# Altium PCB druino_uno_pcb.PcbDoc (part 3 of 3)
Units mm, origin at the board's own origin, x right, y up, seen from the top; angles counter-clockwise.
Board outline 68.58 x 53.34 mm, 4 copper layers (TOP, PWR, GND, BOT), stack 1.466 mm thick; 226 components, 133 nets, 716 pads, 313 vias.
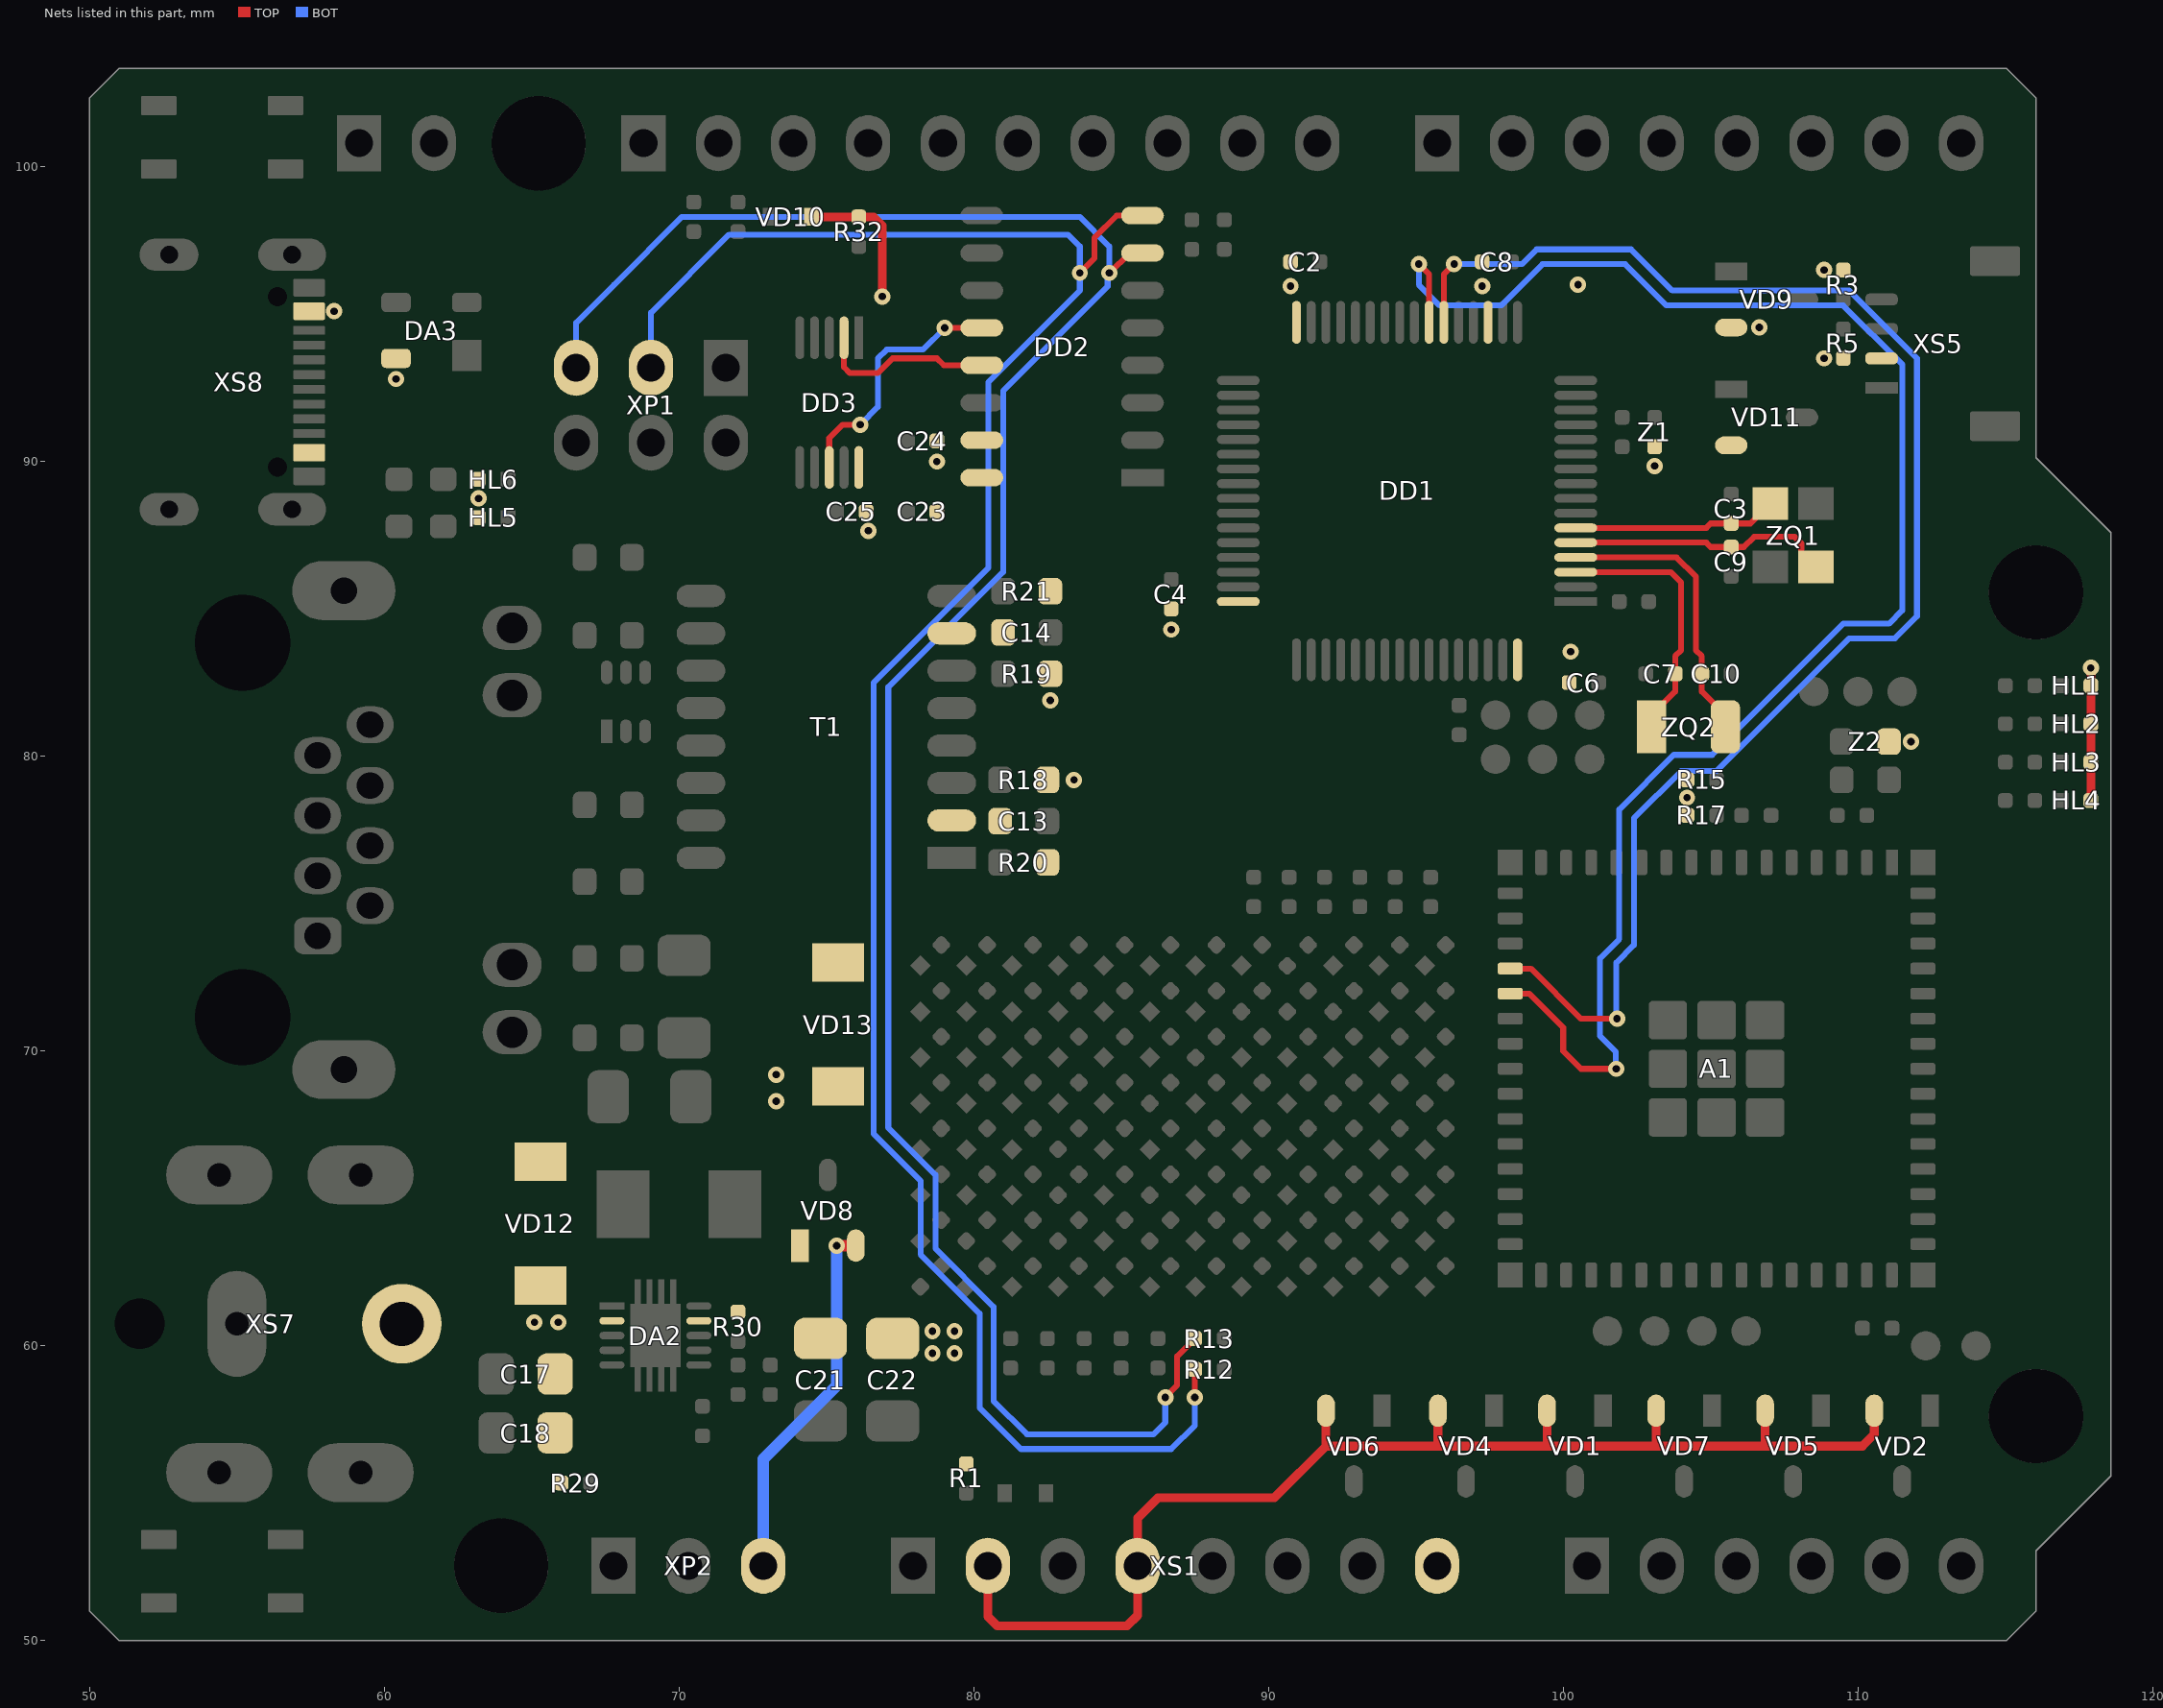
[diagram p5: the nets of this part, all layers, seen from the top]

## Via types
v1: diameter 0.55, hole 0.25, TOP to BOT, tented both sides, 313 vias

## Nets (pads, with @x,y where several pads share a name; then routed paths per layer and width w, separated by ;. In a path a pad name is that pad's centre, name@x,y a point inside that pad or via, vN(x,y) a via of type N, cw(c..) or ccw(c..) an arc to the next point about the centre after c; other vN are vias at no path point) (continued)
USER_IO_15: A1.19 DD1.22 | length 52.1
  TOP w0.2: DD1.22@95.95,94.725 95.95,96.35 v1(96.3,96.7) ; A1.19@98.2,72.8 98.9,72.8 100.6,71.1 v1(101.825,71.1)
  BOT w0.2: v1(96.3,96.7) 98.6,96.7 99.1,97.2 102.3,97.2 103.7,95.8 109.7,95.8 112,93.5 112,84.75 111.25,84 109.7,84 105.2,79.5 104,79.5 102.4,77.9 102.4,73.6 101.8,73 101.8,71.125 v1(101.825,71.1)
USER_IO_16: A1.20 DD1.23 | length 56.6
  TOP w0.2: v1(95.1,96.7) 95.45,96.35 DD1.23@95.45,94.725 ; A1.20@98.2,71.95 98.85,71.95 100,70.8 100,70 100.6,69.4 v1@101.7,69.4
  BOT w0.2: v1(95.1,96.7) 95.1,96 95.8,95.3 97.9,95.3 99.3,96.7 102.1,96.7 103.5,95.3 109.5,95.3 111.5,93.3 111.5,84.95 111.05,84.5 109.5,84.5 105.05,80.05 103.75,80.05 101.9,78.2 101.9,73.8 101.25,73.15 101.25,70.51 101.785,69.975 101.785,69.415 v1(101.8,69.4)
VBUS: DA3.4 VD13.2 XS8.A4 XS8.B4
  other v1: 60.4,92.8 58.3,95.1
VCC_3V3: C2.1 C4.1 C6.1 C8.1 C13.2 C14.2 C21.2 C22.2 C23.1 C24.1 C25.1 DA2.9 DD1.19 DD1.32 DD1.48 DD1.64 DD2.15 DD2.16 DD3.10 HL1.2 HL2.2 HL3.2 HL4.2 HL5.2 HL6.2 R1.1 R3.1 R5.1 R15.1 R17.1 R18.2 R19.1 R20.2 R21.1 R30.1 R32.1 T1.2 T1.7 VD1.2 VD2.2 VD4.2 VD5.2 VD6.2 VD7.2 VD8.1 VD9.2 VD10.2 VD11.2 XS1.2 XS1.4 XS5.2 Z1.2 Z2.2 | length 52.5
  TOP w0.3: VD10.2@74.5,98.3 R32.1@76.1,98.3 76.6,98.3 76.9,98 v1(76.9,95.6) ; XS1.2@80.48,52.54 80.48,50.82 80.8,50.5 85.2,50.5 85.56,50.86 XS1.4@85.56,52.54 85.56,54.16 86.25,54.85 90.2,54.85 91.95,56.6 95.75,56.6 99.45,56.6 103.15,56.6 106.85,56.6 110.149,56.6 110.55,57.001 VD2.2@110.55,57.8 ; 91.95,56.65 VD6.2@91.95,57.8 ; 95.75,56.65 VD4.2@95.75,57.8 ; 99.45,56.65 VD1.2@99.45,57.8 ; 103.15,56.65 VD7.2@103.15,57.8 ; 106.85,56.65 VD5.2@106.85,57.8 ; HL4.2@117.9,78.5 HL3.2@117.9,79.8 HL2.2@117.9,81.1 HL1.2@117.9,82.4 v1(117.9,83)
  other v1: 78.6,59.75 79.35,59.75 78.6,60.5 79.35,60.5 104.2,78.6 83.4,79.2 111.8,80.5 82.6,81.9 100.25,83.55 86.7,84.3 76.425,87.65 63.2,88.75 103.1,89.85 78.75,90 108.85,93.5 106.65,94.55 90.75,95.95 97.25,95.95 100.5,96 108.85,96.5
VCC_BAT: VD8.2 XP2.3 | length 12.5
  TOP w0.4: v1(75.35,63.4) VD8.2@76,63.4
  BOT w0.4: XP2.3@72.86,52.54 72.86,56.16 75.35,58.65 v1(75.35,63.4)
VCC_IN: VD12.2 XS1.8 XS7.4
VCC_SYS: C17.2 C18.2 DA2.2 R29.1 VD12.1 VD13.1
  other v1: 65.095,60.8 65.905,60.8 73.3,68.3 73.3,69.2
WCH_LINK_RX: DD2.7 R13.1 XP1.5 | length 76.4
  TOP w0.2: v1(84.6,96.4) 84.613,96.4 85.287,97.075 DD2.7@85.725,97.075 ; v1(86.5,58.25) 86.5,58.263 86.9,58.663 86.9,59.65 R13.1@87.5,60.25
  BOT w0.2: XP1.5@66.51,93.18 66.51,94.71 67.8,96 70.1,98.3 83.6,98.3 84.6,97.3 v1(84.6,96.4) 84.543,96.343 84.543,95.943 81,92.4 81,86.25 77.1,82.35 77.1,67.4 78.7,65.8 78.7,63.3 80.675,61.325 80.675,58.125 81.8,57 86.1,57 86.5,57.4 v1(86.5,58.25)
WCH_LINK_TX: DD2.8 R12.1 XP1.3 | length 74.9
  TOP w0.2: v1(83.6,96.4) 84.1,96.9 84.1,97.6 84.845,98.345 DD2.8@85.725,98.345 ; v1(87.5,58.25) R12.1@87.5,59.2
  BOT w0.2: XP1.3@69.05,93.18 69.05,95.05 71.7,97.7 83.2,97.7 83.6,97.3 v1(83.6,96.4) 83.6,95.8 80.5,92.7 80.5,86.4 76.6,82.5 76.6,67.2 78.2,65.6 78.2,63.1 80.2,61.1 80.2,57.9 81.6,56.5 86.7,56.5 87.5,57.3 v1(87.5,58.25)
WCH_LINK_USB_N: DD2.13 DD3.2 | length 6.1
  TOP w0.2: DD3.2@75.6,94.2 75.6,93.2 75.8,93 76.75,93 77.25,93.5 78.75,93.5 78.985,93.265 DD2.13@80.275,93.265
WCH_LINK_USB_P: DD2.12 DD3.8 | length 8.7
  TOP w0.2: DD3.8@75.1,89.8 75.1,90.8 75.55,91.25 v1(76.15,91.25) ; v1(79.015,94.535) DD2.12@80.275,94.535
  BOT w0.2: v1(76.15,91.25) 76.75,91.85 76.75,93.5 77.05,93.8 78.28,93.8 v1(79.015,94.535)
XTAL_8M_IN: C9.1 DD1.5 ZQ1.1 | length 9
  TOP w0.2: DD1.5@100.425,87.25 104.85,87.25 105,87.1 C9.1@105.7,87.1 106.126,87.1 106.476,87.45 107.85,87.45 108.075,87.225 108.075,86.875 108.525,86.425 ZQ1.1@108.575,86.425
XTAL_8M_OUT: C3.1 DD1.6 ZQ1.3 | length 7
  TOP w0.2: DD1.6@100.425,87.75 104.85,87.75 105,87.9 C3.1@105.7,87.9 106.35,87.9 106.525,88.075 106.525,88.125 106.975,88.575 ZQ1.3@107.025,88.575
XTAL_32K_IN: C7.2 DD1.3 ZQ2.1 | length 9
  TOP w0.2: DD1.3@100.425,86.25 103.65,86.25 104,85.9 104,83.6 103.8,83.4 103.8,82.2 103,81.4 ZQ2.1@103,81
XTAL_32K_OUT: C10.2 DD1.4 ZQ2.2 | length 9.9
  TOP w0.2: DD1.4@100.425,86.75 103.85,86.75 104.5,86.1 104.5,83.6 104.7,83.4 C10.2@104.7,82.8 104.7,82.2 105.5,81.4 ZQ2.2@105.5,81
pads on no net: A1.25 A1.26 A1.27 A1.28 A1.29 A1.30 A1.31 A1.32 A1.33 A1.34 DA1.5 DD2.3 DD2.6 DD2.9 DD2.10 DD2.11 T1.4 T1.5 T1.12 T1.13 XS1.5 XS3.3 XS5.M1 XS5.M2 XS6.M3 XS6.M4 XS7.A.M2 XS8.0 XS8.A5 XS8.A8 XS8.B5 XS8.B8

## Polygon pours and split planes (outlines as drawn)
no net on Top Overlay "NONET_L-01_P-001" (solid): 92.269,91.501 92.268,91.5 92.268,87.493 94.242,87.493 94.243,87.492 92.541,89.553 92.543,89.851 93.398,89.859 93.41,89.859 ccw(c93.41,90.666) 94.217,90.666 ccw(c93.379,90.666) 93.379,91.503 93.361,91.503
no net on Top Overlay "NONET_L-01_P-001" (solid): 97.041,87.004 97.741,85.804 98.091,85.804 98.791,87.004 98.459,87.004 97.925,86.082 97.391,87.004
no net on Top Overlay "NONET_L-01_P-001" (solid): 96.634,86.506 97.134,86.506 97.134,86.266 96.634,86.266
no net on Top Overlay "NONET_L-01_P-001" (solid): 96.464,87.006 95.384,87.006 ccw(c95.384,86.386) 94.765,86.416 ccw(c95.384,86.425) 95.384,85.806 96.464,85.806 96.464,86.056 95.384,86.056 cw(c95.384,86.395) 95.045,86.395 cw(c95.384,86.376) 95.384,86.716 96.464,86.716
no net on Top Overlay "NONET_L-01_P-001" (solid): 20 vertices, not listed, extent 92.934,85.806 94.654,87.006
no net on Top Overlay "NONET_L-01_P-001" (solid): 92.504,87.006 92.764,87.006 92.764,85.816 92.504,85.816
no net on Top Overlay "NONET_L-01_P-001" (solid): 90.609,87.004 91.955,87.004 cw(c91.949,86.633) 92.32,86.627 cw(c91.985,86.627) 91.984,86.292 92.304,85.815 91.955,85.815 91.654,86.283 90.871,86.283 90.871,85.826 90.609,85.826
no net on Top Overlay "NONET_L-01_P-001" (solid): 96.981,89.723 96.981,87.473 95.387,87.473 95.387,87.482
no net on Top Overlay "NONET_L-01_P-001" (solid): 96.991,90.941 94.813,87.905 93.677,89.236 ccw(c93.509,90.624) 94.906,90.616 ccw(c93.482,90.756) 93.672,92.174 96.991,92.174
no net on Top Overlay "NONET_L-01_P-001" (solid): 98.75,75.35 98.75,63.45 ccw(c99.25,63.45) 99.25,62.95 111.15,62.95 ccw(c111.15,63.45) 111.65,63.45 111.65,75.35 ccw(c111.15,75.35) 111.15,75.85 99.25,75.85 ccw(c99.25,75.35)
no net on Top Overlay "NONET_L-01_P-001" (solid): 111.333,89.552 ccw(c111.333,89.328) 111.109,89.328 111.109,89.255 ccw(c111.333,89.255) 111.333,89.031 ccw(c111.333,89.253) 111.554,89.253 111.554,89.348 ccw(c111.35,89.348) 111.35,89.55 111.308,89.55
no net on Top Overlay "NONET_L-01_P-001" (solid): 23 vertices, not listed, extent 110.371,88.4 115.955,90.211
GND on TOP "NONET_L-01_P-001" (solid, pour order 80): 19 vertices, not listed, extent 68.35,55.65 78.5,63
GND on TOP "TOP-GND" (solid, pour order 65): 34 vertices, not listed, extent 105.35,82.45 111,89.9
GND on TOP "TOP-GND 2" (solid, pour order 99): 39 vertices, not listed, extent 102.35,60.9 118.4,79.75
VCC_3V3 on TOP "NONET_L-01_P-001" (solid, pour order 125): 20 vertices, not listed, extent 100.1,95.6 109.9,99
NetC16_2 on TOP "TOP-NetC16_2" (solid, pour order 111): 31 vertices, not listed, extent 50.5,67.3 68.55,87.5
GND on TOP "NONET_L-01_P-001" (solid, pour order 122): 62.6,89.1 62.6,90.35 ccw(c62.25,90.35) 62.25,90.7 61.75,90.7 ccw(c61.75,90.35) 61.4,90.35 61.4,89.1 ccw(c61.75,89.1) 61.75,88.75 62.25,88.75 ccw(c62.25,89.1)
VCC_3V3 on TOP "NONET_L-01_P-001" (solid, pour order 6): 62.8,89.65 62.8,88.8 62.8,88 ccw(c63.1,88) 63.1,87.7 63.3,87.7 ccw(c63.3,88) 63.6,88 63.6,89.65 ccw(c63.25,89.65) 63.25,90 63.15,90 ccw(c63.15,89.65)
EGND on TOP "NONET_L-01_P-001" (solid, pour order 12): 67.4,86.45 67.4,87.65 ccw(c67.05,87.65) 67.05,88 66.55,88 ccw(c66.55,87.65) 66.2,87.65 66.2,86.45 ccw(c66.55,86.45) 66.55,86.1 67.05,86.1 ccw(c67.05,86.45)
VBUS on TOP "NONET_L-01_P-001" (solid, pour order 3): 35 vertices, not listed, extent 56.91,72.1 76.5,94
GND on TOP "TOP-GND 1" (solid, pour order 115): 28 vertices, not listed, extent 50.5,87.75 60,101.85
GND on TOP "NONET_L-01_P-001" (solid, pour order 109): 82.1,78.05 82.1,77.55 ccw(c82.3,77.55) 82.3,77.35 83.4,77.35 ccw(c83.4,77.8) 83.85,77.8 ccw(c83.4,77.8) 83.4,78.25 82.925,78.25 82.3,78.25 ccw(c82.3,78.05)
GND on TOP "NONET_L-01_P-001" (solid, pour order 108): 82.2,84.45 82.2,83.95 ccw(c82.4,83.95) 82.4,83.75 83.5,83.75 ccw(c83.5,84.2) 83.95,84.2 ccw(c83.5,84.2) 83.5,84.65 83.025,84.65 82.4,84.65 ccw(c82.4,84.45)
GND on TOP "NONET_L-01_P-001" (solid, pour order 107): 81.925,92 cw(c81.55,92) 81.55,91.625 79.85,91.625 cw(c79.85,92) 79.475,92 cw(c79.85,92) 79.85,92.375 81.55,92.375 cw(c81.55,92)
GND on TOP "NONET_L-01_P-001" (solid, pour order 106): 74.1,94.925 cw(c74.1,94.775) 74.25,94.775 74.25,93.425 ccw(c74.371,93.425) 74.285,93.34 74.337,93.288 cw(c74.123,93.075) 74.425,93.075 74.425,93 cw(c74.1,93) 74.1,92.675 cw(c74.1,93) 73.775,93 73.775,93.075 cw(c74.077,93.075) 73.863,93.288 73.915,93.34 ccw(c73.829,93.425) 73.95,93.425 73.95,94.775 cw(c74.1,94.775)
GND on TOP "NONET_L-01_P-001" (solid, pour order 101): 62.1,94.3 63.5,94.3 63.5,92.5 cw(c63.05,92.5) 63.05,92.05 62.55,92.05 cw(c62.55,92.5) 62.1,92.5
GND on TOP "NONET_L-01_P-001" (solid, pour order 100): 112.2,58.5 113.4,58.5 cw(c113.4,58.3) 113.6,58.3 113.6,57.3 cw(c113.4,57.3) 113.4,57.1 112.2,57.1 cw(c112.2,57.3) 112,57.3 112,58.3 cw(c112.2,58.3)
GND on TOP "NONET_L-01_P-001" (solid, pour order 92): 32 vertices, not listed, extent 51.5,52.8 64.6,67
EGND on TOP "NONET_L-01_P-001" (solid, pour order 90): 25 vertices, not listed, extent 66.25,71.9 72.1,78.95
EGND on TOP "NONET_L-01_P-001" (solid, pour order 8): 60.8,90 59.55,90 ccw(c59.55,89.65) 59.2,89.65 59.2,89.15 ccw(c59.55,89.15) 59.55,88.8 60.8,88.8 ccw(c60.8,89.15) 61.15,89.15 61.15,89.65 ccw(c60.8,89.65)
GND on TOP "NONET_L-01_P-001" (solid, pour order 84): 68.2,69.8 68.45,69.8 cw(c68.45,69.25) 69,69.25 69,67.7 ccw(c69.4,67.7) 69.4,67.3 71.6,67.3 ccw(c71.6,67.7) 72,67.7 72,70.9 ccw(c71.6,70.9) 71.6,71.3 68.2,71.3 ccw(c68.2,70.9) 67.8,70.9 67.8,70.2 ccw(c68.2,70.2)
GND on TOP "NONET_L-01_P-001" (solid, pour order 83): 78.1,90.85 78.1,88.15 cw(c77.85,88.15) 77.85,87.9 77.55,87.9 cw(c77.55,88.15) 77.3,88.15 77.3,88.5 77.3,90.85 cw(c77.55,90.85) 77.55,91.1 77.85,91.1 cw(c77.85,90.85)
GND on TOP "NONET_L-01_P-001" (solid, pour order 79): 97.8,63 98.8,63 98.8,61.4 cw(c98.5,61.4) 98.5,61.1 97.8,61.1 cw(c97.8,61.4) 97.5,61.4 97.5,62.7 cw(c97.8,62.7)
GND on TOP "NONET_L-01_P-001" (solid, pour order 78): 108.5,58.5 109.7,58.5 cw(c109.7,58.3) 109.9,58.3 109.9,57.3 cw(c109.7,57.3) 109.7,57.1 108.5,57.1 cw(c108.5,57.3) 108.3,57.3 108.3,58.3 cw(c108.5,58.3)
GND on TOP "NONET_L-01_P-001" (solid, pour order 77): 104.8,58.5 106,58.5 cw(c106,58.3) 106.2,58.3 106.2,57.3 cw(c106,57.3) 106,57.1 104.8,57.1 cw(c104.8,57.3) 104.6,57.3 104.6,58.3 cw(c104.8,58.3)
GND on TOP "NONET_L-01_P-001" (solid, pour order 76): 101.1,58.5 102.3,58.5 cw(c102.3,58.3) 102.5,58.3 102.5,57.3 cw(c102.3,57.3) 102.3,57.1 101.1,57.1 cw(c101.1,57.3) 100.9,57.3 100.9,58.3 cw(c101.1,58.3)
GND on TOP "NONET_L-01_P-001" (solid, pour order 75): 97.4,58.5 98.6,58.5 cw(c98.6,58.3) 98.8,58.3 98.8,57.3 cw(c98.6,57.3) 98.6,57.1 97.4,57.1 cw(c97.4,57.3) 97.2,57.3 97.2,58.3 cw(c97.4,58.3)
GND on TOP "NONET_L-01_P-001" (solid, pour order 74): 93.6,58.5 94.8,58.5 cw(c94.8,58.3) 95,58.3 95,57.3 cw(c94.8,57.3) 94.8,57.1 93.6,57.1 cw(c93.6,57.3) 93.4,57.3 93.4,58.3 cw(c93.6,58.3)
GND on TOP "NONET_L-01_P-001" (solid, pour order 70): 98.8,75.8 97.05,75.8 cw(c97.05,76.1) 96.75,76.1 96.75,76.95 cw(c97.05,76.95) 97.05,77.25 98.5,77.25 cw(c98.5,76.95) 98.8,76.95
GND on TOP "NONET_L-01_P-001" (solid, pour order 68): 106.9,78.35 107.65,78.35 cw(c107.65,78) 108,78 cw(c107.65,78) 107.65,77.65 106.9,77.65 cw(c106.9,77.85) 106.7,77.85 106.7,78.15 cw(c106.9,78.15)
GND on TOP "NONET_L-01_P-001" (solid, pour order 62): 96.819,80.881 96.819,80.131 cw(c96.469,80.131) 96.469,79.781 cw(c96.469,80.131) 96.119,80.131 96.119,80.881 cw(c96.319,80.881) 96.319,81.081 96.619,81.081 cw(c96.619,80.881)
GND on TOP "NONET_L-01_P-001" (solid, pour order 59): 106.15,96 105.25,96 cw(c105.25,96.25) 105,96.25 105,97.25 cw(c105.25,97.25) 105.25,97.5 106.15,97.5 cw(c106.15,97.25) 106.4,97.25 106.4,96.25 cw(c106.15,96.25)
GND on TOP "NONET_L-01_P-001" (solid, pour order 58): 105.25,92.9 106.15,92.9 cw(c106.15,92.65) 106.4,92.65 106.4,91.65 cw(c106.15,91.65) 106.15,91.4 105.25,91.4 cw(c105.25,91.65) 105,91.65 105,92.65 cw(c105.25,92.65)
GND on TOP "NONET_L-01_P-001" (solid, pour order 57): 109.9,92.8 111.2,92.8 cw(c111.2,92.55) 111.45,92.55 111.45,92.45 cw(c111.2,92.45) 111.2,92.2 109.9,92.2 cw(c109.9,92.5) 109.6,92.5 cw(c109.9,92.5)
GND on TOP "NONET_L-01_P-001" (solid, pour order 56): 99.85,90.9 102.1,90.9 cw(c102.1,90.6) 102.4,90.6 102.4,89.85 cw(c102,89.85) 102,89.45 cw(c102,89.85) 101.6,89.85 101.6,90.25 ccw(c101.25,90.25) 101.25,90.6 99.85,90.6 cw(c99.85,90.75) 99.7,90.75 cw(c99.85,90.75)
GND on TOP "NONET_L-01_P-001" (solid, pour order 55): 97.8,94.15 97.8,95.85 97.8,97.4 cw(c98.2,97.4) 98.2,97.8 98.3,97.8 cw(c98.3,97.4) 98.7,97.4 98.7,96.7 cw(c98.217,96.7) 98.559,96.359 98.4,96.2 98.312,96.112 ccw(c98.824,95.6) 98.1,95.6 98.1,94.15 cw(c97.95,94.15) 97.95,94 cw(c97.95,94.15)
VCC_3V3 on TOP "NONET_L-01_P-001" (solid, pour order 54): 97.45,94 cw(c97.45,94.15) 97.3,94.15 97.3,95.25 ccw(c96.938,95.25) 97.194,95.506 97.006,95.694 cw(c97.262,95.95) 96.9,95.95 96.9,96.9 cw(c97.1,96.9) 97.1,97.1 97.4,97.1 cw(c97.4,96.9) 97.6,96.9 97.6,95.5 97.6,94.15 cw(c97.45,94.15)
GND on TOP "NONET_L-01_P-001" (solid, pour order 53): 91.3,94.15 91.3,95.85 91.3,97.4 cw(c91.7,97.4) 91.7,97.8 91.8,97.8 cw(c91.8,97.4) 92.2,97.4 92.2,96.7 cw(c91.717,96.7) 92.059,96.359 91.9,96.2 91.812,96.112 ccw(c92.324,95.6) 91.6,95.6 91.6,94.15 cw(c91.45,94.15) 91.45,94 cw(c91.45,94.15)
GND on TOP "NONET_L-01_P-001" (solid, pour order 52): 24 vertices, not listed, extent 97.8,82.15 103.3,85.65
VCC_3V3 on TOP "NONET_L-01_P-001" (solid, pour order 17): 98.3,83.85 98.3,82.35 ccw(c98.5,82.35) 98.5,82.15 100.35,82.15 ccw(c100.35,82.35) 100.55,82.35 100.55,83.8 ccw(c100.35,83.8) 100.35,84 98.45,84 ccw(c98.45,83.85)
MCU_VBAT on TOP "NONET_L-01_P-001" (solid, pour order 51): 99.7,85.4 101.159,85.4 ccw(c101.159,85.741) 101.4,85.5 101.444,85.544 cw(c101.7,85.288) 101.7,85.65 102.05,85.65 cw(c102.05,85.4) 102.3,85.4 102.3,84.6 cw(c101.9,84.6) 101.9,84.2 cw(c101.9,84.6) 101.5,84.6 101.5,84.7 ccw(c101.2,84.7) 101.2,85 99.7,85
NetA1_3 on TOP "NONET_L-01_P-001" (solid, pour order 49): 17 vertices, not listed, extent 108.85,75.85 110.05,81.1
VCC_3V3 on TOP "NONET_L-01_P-001" (solid, pour order 48): 110.65,79.95 111.85,79.95 ccw(c111.85,80.35) 112.25,80.35 112.25,80.65 ccw(c111.85,80.65) 111.85,81.05 110.65,81.05 ccw(c110.65,80.65) 110.25,80.65 110.25,80.35 ccw(c110.65,80.35)
VCC_3V3 on TOP "NONET_L-01_P-001" (solid, pour order 45): 103.85,79.35 103.85,77.85 ccw(c104.05,77.85) 104.05,77.65 104.35,77.65 ccw(c104.35,77.85) 104.55,77.85 104.55,79.35 ccw(c104.35,79.35) 104.35,79.55 104.05,79.55 ccw(c104.05,79.35)
LED_GREEN on TOP "NONET_L-01_P-001" (solid, pour order 44): 67.8,73.45 67.8,72.25 ccw(c68.15,72.25) 68.15,71.9 68.65,71.9 ccw(c68.65,72.25) 69,72.25 69,73.45 ccw(c68.65,73.45) 68.65,73.8 68.15,73.8 ccw(c68.15,73.45)
GND on TOP "NONET_L-01_P-001" (solid, pour order 42): 89.7,85.75 cw(c89.55,85.75) 89.55,85.6 86.55,85.6 cw(c86.55,85.85) 86.3,85.85 86.3,86.7 cw(c86.7,86.7) 86.7,87.1 cw(c86.7,86.7) 87.1,86.7 87.1,86.4 ccw(c87.3,86.4) 87.3,86.2 87.7,86.2 cw(c87.7,85.838) 87.956,86.094 88,86.05 ccw(c88.362,86.412) 88.362,85.9 89.55,85.9 cw(c89.55,85.75)
GND on TOP "NONET_L-01_P-001" (solid, pour order 11): 75.75,90.375 75.75,87.65 cw(c75.35,87.65) 75.35,87.25 cw(c75.35,87.65) 74.95,87.65 74.95,88.35 cw(c75.372,88.35) 75.074,88.649 75.326,88.901 ccw(c75.028,89.2) 75.45,89.2 75.45,90.375 cw(c75.6,90.375) 75.6,90.525 cw(c75.6,90.375)
NetDA2_1 on TOP "NONET_L-01_P-001" (solid, pour order 13): 67,61.475 67,66.125 cw(c67.5,66.125) 67.5,66.625 68.7,66.625 cw(c68.7,66.125) 69.2,66.125 69.2,63.6 cw(c68.8,63.6) 68.8,63.2 68.55,63.2 ccw(c68.55,62.8) 68.15,62.8 68.15,61.225 67.25,61.225 cw(c67.25,61.475)
VCC_3V3 on TOP "TOP-VCC_3V3" (solid, pour order 31): 30 vertices, not listed, extent 70.25,55.65 80.1,64.25
VBUS on TOP "NONET_L-01_P-001" (solid, pour order 28): 56.97,95.4 58.3,95.4 cw(c58.3,95.1) 58.6,95.1 cw(c58.3,95.1) 58.3,94.8 56.97,94.8 cw(c56.97,94.86) 56.91,94.86 56.91,95.34 cw(c56.97,95.34)
VCC_3V3 on TOP "NONET_L-01_P-001" (solid, pour order 24): 90.95,94 cw(c90.95,94.15) 90.8,94.15 90.8,95.25 ccw(c90.438,95.25) 90.694,95.506 90.506,95.694 cw(c90.762,95.95) 90.4,95.95 90.4,96.9 cw(c90.6,96.9) 90.6,97.1 90.9,97.1 cw(c90.9,96.9) 91.1,96.9 91.1,95.5 91.1,94.15 cw(c90.95,94.15)
VCC_3V3 on TOP "NONET_L-01_P-001" (solid, pour order 21): 108.85,93.8 111.2,93.8 cw(c111.2,93.55) 111.45,93.55 111.45,93.45 cw(c111.2,93.45) 111.2,93.2 108.85,93.2 cw(c108.85,93.5) 108.55,93.5 cw(c108.85,93.5)
VCC_3V3 on TOP "NONET_L-01_P-001" (solid, pour order 20): 105.45,94.85 106.65,94.85 cw(c106.65,94.55) 106.95,94.55 cw(c106.65,94.55) 106.65,94.25 105.45,94.25 cw(c105.45,94.55) 105.15,94.55 cw(c105.45,94.55)
VCC_3V3 on TOP "NONET_L-01_P-001" (solid, pour order 19): 105.95,90.85 102.95,90.85 ccw(c102.95,90.65) 102.75,90.65 102.75,89.8 ccw(c103.1,89.8) 103.1,89.45 103.488,89.45 ccw(c103.488,89.962) 103.85,89.6 104.401,90.151 cw(c104.64,89.912) 104.64,90.25 105.95,90.25 ccw(c105.95,90.55) 106.25,90.55 ccw(c105.95,90.55)
VCC_3V3 on TOP "NONET_L-01_P-001" (solid, pour order 18): 89.7,85.25 ccw(c89.55,85.25) 89.55,85.4 86.55,85.4 ccw(c86.55,85.15) 86.3,85.15 86.3,84.3 ccw(c86.7,84.3) 86.7,83.9 ccw(c86.7,84.3) 87.1,84.3 87.1,84.4 cw(c87.3,84.4) 87.3,84.6 87.5,84.6 ccw(c87.5,84.962) 87.756,84.706 88,84.95 cw(c88.362,84.588) 88.362,85.1 89.55,85.1 ccw(c89.55,85.25)
NetC5_1 on TOP "NONET_L-01_P-001" (solid, pour order 16): 99.7,91.25 ccw(c99.85,91.25) 99.85,91.1 103.25,91.1 ccw(c103.25,91.35) 103.5,91.35 103.5,91.65 ccw(c103.25,91.65) 103.25,91.9 101.9,91.9 ccw(c101.9,91.538) 101.644,91.794 101.4,91.55 cw(c101.038,91.912) 101.038,91.4 99.85,91.4 ccw(c99.85,91.25)
NetDA2_10 on TOP "NONET_L-01_P-001" (solid, pour order 14): 70.25,61.35 70.25,61.65 cw(c70.491,61.65) 70.321,61.821 70.659,62.159 ccw(c70.317,62.5) 70.8,62.5 70.8,66.125 cw(c71.3,66.125) 71.3,66.625 72.525,66.625 cw(c72.525,66.125) 73.025,66.125 73.025,63.5 cw(c72.361,63.5) 72.831,63.031 71.06,61.26 cw(c70.976,61.344) 70.975,61.225 70.375,61.225 cw(c70.375,61.35)
VCC_SYS on TOP "NONET_L-01_P-001" (solid, pour order 0): 24 vertices, not listed, extent 64,54.75 68.2,63.05
VCC_IN on TOP "NONET_L-01_P-001" (solid, pour order 1): 59,60.8 59,61.239 cw(c61.561,61.239) 59.75,63.05 63.326,66.626 cw(c64.35,65.601) 64.35,67.05 66.25,67.05 cw(c66.25,66.8) 66.5,66.8 66.5,65.7 cw(c66.25,65.7) 66.25,65.45 64.95,65.45 ccw(c64.95,64.726) 64.438,65.238 62.872,63.672 ccw(c64.493,62.05) 62.2,62.05 62.2,60.8 cw(c60.6,60.8) 60.6,59.2 cw(c60.6,60.8)
VCC_3V3 on TOP "NONET_L-01_P-001" (solid, pour order 10): 75.95,90.375 75.95,87.65 ccw(c76.35,87.65) 76.35,87.25 ccw(c76.35,87.65) 76.75,87.65 76.75,88.35 ccw(c76.328,88.35) 76.626,88.649 76.374,88.901 cw(c76.672,89.2) 76.25,89.2 76.25,90.375 ccw(c76.1,90.375) 76.1,90.525 ccw(c76.1,90.375)
VCC_3V3 on TOP "NONET_L-01_P-001" (solid, pour order 9): 78.3,90.8 78.3,88.2 ccw(c78.65,88.2) 78.65,87.85 79.746,87.85 ccw(c79.746,88.704) 80.35,88.1 81.003,88.753 ccw(c80.405,89.35) 81.25,89.35 81.25,90.75 ccw(c80.85,90.75) 80.85,91.15 78.65,91.15 ccw(c78.65,90.8)
VCC_SYS on TOP "NONET_L-01_P-001" (solid, pour order 7): 72.7,69.2 72.7,68.3 ccw(c73.3,68.3) 73.3,67.7 76,67.7 ccw(c76,68.3) 76.6,68.3 76.6,69.2 ccw(c76,69.2) 76,69.8 73.3,69.8 ccw(c73.3,69.2)
VCC_3V3 on TOP "NONET_L-01_P-001" (solid, pour order 5): 24 vertices, not listed, extent 78.1,75.7 83.7,79.9
VCC_3V3 on TOP "NONET_L-01_P-001" (solid, pour order 4): 24 vertices, not listed, extent 78.2,81.5 83.2,86.3
VCC_3V3 on PWR "PWR-VCC_3V3" (solid, pour order 72): 119 vertices, not listed, extent 62.8,51.4 112.2,95.95
EGND on PWR "PWR-EGND" (solid, pour order 124): 39 vertices, not listed, extent 59.25,76.15 71.75,89.75
VCC_IN on PWR "NONET_L-01_P-001" (solid, pour order 93): 28 vertices, not listed, extent 59,50.5 96.7,62.3
VCC_3V3 on PWR "NONET_L-01_P-001" (solid, pour order 73): 22 vertices, not listed, extent 90.4,94.5 100.9,96.4
VCC_3V3 on PWR "NONET_L-01_P-001" (solid, pour order 33): 109.25,96.5 109.25,93.5 cw(c108.85,93.5) 108.85,93.1 106.75,93.1 ccw(c106.75,91.531) 105.64,92.64 103.75,90.75 ccw(c104.353,90.146) 103.5,90.146 103.5,89.8 cw(c103.1,89.8) 103.1,89.4 cw(c103.1,89.8) 102.7,89.8 102.7,90.705 cw(c103.895,90.705) 103.05,91.55 108.3,96.8 cw(c108.541,96.559) 108.541,96.9 108.85,96.9 cw(c108.85,96.5)
no net on Bottom Overlay "NONET_L-01_P-001" (solid): 86.26,66.63 85.16,64.73 84.61,64.73 83.51,66.63 84.01,66.63 84.86,65.13 85.76,66.63
no net on Bottom Overlay "NONET_L-01_P-001" (solid): 86.91,65.88 86.91,65.48 86.11,65.48 86.11,65.88
no net on Bottom Overlay "NONET_L-01_P-001" (solid): 87.16,66.63 88.96,66.63 cw(c88.96,65.68) 89.91,65.68 cw(c88.96,65.68) 88.96,64.73 87.16,64.73 87.16,65.13 88.96,65.13 ccw(c88.96,65.63) 89.457,65.683 ccw(c88.96,65.683) 88.96,66.18 87.16,66.18
no net on Bottom Overlay "NONET_L-01_P-001" (solid): 17 vertices, not listed, extent 90.11,64.73 92.86,66.63
no net on Bottom Overlay "NONET_L-01_P-001" (solid): 93.56,66.63 93.56,64.73 93.11,64.73 93.11,66.63
no net on Bottom Overlay "NONET_L-01_P-001" (solid): 93.96,73.83 92.06,73.83 ccw(c92.06,72.53) 90.76,72.53 ccw(c92.06,72.53) 92.06,71.23 93.46,71.23 93.46,70.73 90.76,67.43 93.96,67.43
no net on Bottom Overlay "NONET_L-01_P-001" (solid): 91.723,70.307 cw(c91.878,72.531) 89.652,72.629 cw(c91.964,72.623) 91.81,74.93 86.36,74.93 86.36,72.93 89.86,68.03
no net on Bottom Overlay "NONET_L-01_P-001" (solid): 86.36,71.03 86.36,67.43 88.96,67.43
no net on Bottom Overlay "NONET_L-01_P-001" (solid): 96.56,66.63 94.46,66.63 ccw(c94.46,66.03) 93.86,66.03 ccw(c94.36,66.03) 94.36,65.53 93.86,64.73 94.36,64.73 94.86,65.53 96.16,65.53 96.16,64.73 96.56,64.73
no net on Bottom Overlay "NONET_L-01_P-001" (solid): 113.228,87.987 cw(c113.228,87.763) 113.452,87.763 113.452,87.69 cw(c113.228,87.69) 113.228,87.466 cw(c113.228,87.688) 113.006,87.688 113.006,87.783 cw(c113.21,87.783) 113.21,87.985 113.252,87.985
no net on Bottom Overlay "NONET_L-01_P-001" (solid): 23 vertices, not listed, extent 108.606,86.835 114.19,88.646
no net on Top Assy "NONET_L-01_P-001" (solid): 97.041,88.004 97.741,86.804 98.091,86.804 98.791,88.004 98.459,88.004 97.925,87.082 97.391,88.004
no net on Top Assy "NONET_L-01_P-001" (solid): 96.634,87.506 97.134,87.506 97.134,87.266 96.634,87.266
no net on Top Assy "NONET_L-01_P-001" (solid): 96.464,88.006 95.384,88.006 ccw(c95.384,87.386) 94.765,87.416 ccw(c95.384,87.425) 95.384,86.806 96.464,86.806 96.464,87.056 95.384,87.056 cw(c95.384,87.395) 95.045,87.395 cw(c95.384,87.376) 95.384,87.716 96.464,87.716
no net on Top Assy "NONET_L-01_P-001" (solid): 20 vertices, not listed, extent 92.934,86.806 94.654,88.006
no net on Top Assy "NONET_L-01_P-001" (solid): 92.504,88.006 92.764,88.006 92.764,86.816 92.504,86.816
no net on Top Assy "NONET_L-01_P-001" (solid): 90.609,88.004 91.955,88.004 cw(c91.949,87.633) 92.32,87.627 cw(c91.985,87.627) 91.984,87.292 92.304,86.815 91.955,86.815 91.654,87.283 90.871,87.283 90.871,86.826 90.609,86.826
no net on Top Assy "NONET_L-01_P-001" (solid): 96.981,90.723 96.981,88.473 95.387,88.473 95.387,88.482
no net on Top Assy "NONET_L-01_P-001" (solid): 96.991,91.941 94.813,88.905 93.677,90.236 ccw(c93.509,91.624) 94.906,91.616 ccw(c93.482,91.756) 93.672,93.174 96.991,93.174
no net on Top Assy "NONET_L-01_P-001" (solid): 92.269,92.501 92.268,92.5 92.268,88.493 94.242,88.493 94.243,88.492 92.541,90.553 92.543,90.851 93.398,90.859 93.41,90.859 ccw(c93.41,91.666) 94.217,91.666 ccw(c93.379,91.666) 93.379,92.503 93.361,92.503
GND on BOT "BOT-GND" (solid, pour order 97): 27 vertices, not listed, extent 102.35,60.9 118.4,77.9
EGND on BOT "NONET_L-01_P-001" (solid, pour order 91): 19 vertices, not listed, extent 66.25,72.25 72.15,80.3
GND on BOT "NONET_L-01_P-001" (solid, pour order 117): 17 vertices, not listed, extent 105.3,82.3 111.1,93
GND on BOT "NONET_L-01_P-001" (solid, pour order 116): 21 vertices, not listed, extent 73.7,87.1 78.2,93.4
GND on BOT "TOP-GND 1" (solid, pour order 105): 20 vertices, not listed, extent 50.5,87.75 60,101.85
GND on BOT "BOT-GND 1" (solid, pour order 114): 55 vertices, not listed, extent 52.4,50.3 78.1,71.3
VCC_3V3 on BOT "NONET_L-01_P-001" (solid, pour order 50): 19 vertices, not listed, extent 99.9,83.2 104.2,90.2
VCC_3V3 on BOT "NONET_L-01_P-001" (solid, pour order 46): 20 vertices, not listed, extent 103.8,78.2 118.3,83.5
VCC_SYS on BOT "NONET_L-01_P-001" (solid, pour order 32): 19 vertices, not listed, extent 64.7,60.4 73.7,69.6
VBUS on BOT "NONET_L-01_P-001" (solid, pour order 29): 58,95.1 ccw(c58.3,95.1) 58.3,94.8 59.2,94.8 cw(c59.2,94.317) 59.541,94.659 59.959,94.241 cw(c59.617,93.9) 60.1,93.9 60.1,92.8 ccw(c60.4,92.8) 60.4,92.5 ccw(c60.4,92.8) 60.7,92.8 60.7,93.9 ccw(c59.734,93.9) 60.417,94.583 59.883,95.117 ccw(c59.2,94.434) 59.2,95.4 58.3,95.4 ccw(c58.3,95.1)
GND on GND "NONET_L-01_P-001" (solid, pour order 118): 50.3,102.2 51.1,103 114.9,103 115.7,102.2 115.7,90 118.3,87.4 118.3,55.8 115.7,53.2 115.7,51.1 114.9,50.3 51.1,50.3 50.3,51.1

## Keep-outs
Keep-Out Layer:
  rectangle: 112.85,61.7 118,77.1

## Other copper
BOT:
  pour cut-out: 58.6,60.75 ccw(c60.6,60.75) 60.6,58.75 ccw(c60.6,60.75) 62.6,60.75 ccw(c60.6,60.75) 60.6,62.75 ccw(c60.6,60.75)

## Silkscreen, mask and mechanical layers (free items; w line width, h text height)
Top Overlay:
  rectangle: 60.6,96.5 62.6,97.5
  region: 73,86.5 77,86.5 cw(c77,85.5) 78,85.5 78,76.5 cw(c77,76.5) 77,75.5 73,75.5 cw(c73,76.5) 72,76.5 72,85.5 cw(c73,85.5)
  pour cut-out: 91.984,86.716 cw(c91.984,86.616) 92.084,86.616 cw(c91.994,86.616) 91.994,86.526 90.884,86.526 90.884,86.716
  pour cut-out: 102.45,71.85 102.45,66.95 ccw(c102.75,66.95) 102.75,66.65 107.65,66.65 ccw(c107.65,66.95) 107.95,66.95 107.95,71.85 ccw(c107.65,71.85) 107.65,72.15 102.75,72.15 ccw(c102.75,71.85)
  pour cut-out: 115.255,89.541 115.252,89.544 ccw(c115.18,89.412) 115.086,89.505 115.039,89.458 ccw(c115.14,89.357) 114.997,89.357 114.997,89.239 ccw(c115.176,89.239) 115.05,89.112 115.082,89.08 ccw(c115.178,89.177) 115.178,89.041 115.25,89.041 115.255,89.046 115.255,88.766 115.137,88.766 cw(c115.137,89.25) 114.795,88.908 cw(c115.136,89.249) 114.654,89.249 114.654,89.379 cw(c115.018,89.379) 114.761,89.637 114.854,89.73 cw(c115.087,89.498) 115.087,89.827 115.255,89.827
  region: 72.2,88 71.6,89.1 71,88
  pour cut-out: 114.245,89.818 114.245,88.774 114.586,88.774 114.586,89.818
  pour cut-out: 113.834,89.818 113.834,88.774 114.175,88.774 114.175,89.818
  pour cut-out: 111.954,89.818 112.303,89.818 112.512,89.112 112.716,89.818 113.044,89.818 113.251,89.112 113.459,89.818 113.795,89.818 113.413,88.774 113.073,88.774 112.875,89.419 112.674,88.774 112.334,88.774
  lines w0.2: 109.4,83.05 114.3,83.05 114.3,78.5 114.5,78.5 ; 114.3,79.8 114.5,79.8 ; 114.3,81.1 114.5,81.1 ; 114.3,82.4 114.5,82.4 ; 60.6,96.5 62.6,96.5 62.6,97.5 60.6,97.5 60.6,96.5 ; 60.6,97.9 60.6,98.9 62.6,98.9 62.6,97.9 60.6,97.9 ; 77.6,61.4 96.55,61.4 96.55,74.15 77.6,74.15 77.6,61.4
  text "RESET" at 51.3,98.434 h0.8 r90
  text "ESP32" at 63.3,98 h0.8
  text "WCH-Link" at 63.3,96.6 h0.8
  text "04" at 107.3,94.734 h0.8 r90
  text "CH549G" at 83.4,91.634 h0.8 r90
  text "442" at 75.5,90.934 h0.8 r90
  text "04" at 107.3,90.834 h0.8 r90
  text "05" at 74.384,64.2 h0.8
  text "04" at 92.234,56.2 h0.8
  text "04" at 96.034,56.2 h0.8
  text "04" at 99.734,56.2 h0.8
  text "04" at 103.434,56.2 h0.8
  text "04" at 107.134,56.1 h0.8
  text "04" at 110.834,56.1 h0.8
  text "BOOT" at 51.4,50.884 h0.8 r90
Bottom Overlay:
  drawing of 296 lines, arcs and shapes, not listed
  text "NC" at 73.414,96.94 h1 r270
  text "PB6" at 68.334,95.94 h1 r270
  text "PB7" at 70.874,95.94 h1 r270
  text "GND" at 75.954,95.94 h1 r270
  text "PB3" at 78.494,95.94 h1 r270
  text "PB5" at 81.034,95.94 h1 r270
  text "PB4" at 83.574,95.94 h1 r270
  text "PB8" at 105.418,95.94 h1 r270
  text "PB9" at 107.958,95.94 h1 r270
  text "PA9" at 110.498,95.94 h1 r270
  text "PA11" at 91.194,95.44 h1 r270
  text "PA15" at 86.114,95.107 h1 r270
  text "PA12" at 88.654,95.107 h1 r270
  text "PB13" at 95.258,95.107 h1 r270
  text "PB15" at 97.798,95.107 h1 r270
  text "PB14" at 100.338,95.107 h1 r270
  text "PB12" at 102.878,95.107 h1 r270
  text "PA10" at 113.038,95.107 h1 r270
  text "SCL1" at 60.46,94.258 h1 r270
  text "SDA1" at 63,94.258 h1 r270
  text "MOSI" at 81.016,90.508 h1 r270
  text "MOSI" at 97.78,90.508 h1 r270
  text "MISO" at 83.556,90.341 h1 r270
  text "MISO" at 100.32,90.341 h1 r270
  text "SCLK" at 78.476,90.175 h1 r270
  text "FSS#" at 86.096,90.175 h1 r270
  text "SCLK" at 95.24,90.175 h1 r270
  text "FSS#" at 102.86,90.175 h1 r270
  text "U6TX" at 105.418,90.115 h1 r270
  text "U6RX" at 107.958,90.115 h1 r270
  text "U0TX" at 110.498,90.115 h1 r270
  text "U0RX" at 113.038,90.115 h1 r270
  text "USB1+" at 88.636,89.341 h1 r270
  text "USB1-" at 91.176,89.341 h1 r270
  text "USB2-" at 60.38,88.335 h1 r270
  text "USB2+" at 62.92,88.335 h1 r270
  text "SPI2" at 101.349,88 h1
  text "GND" at 68.897,86.114 h1
  text "IO0" at 72.37,86.114 h1
  text "IO41" at 77.021,86.114 h1
  text "SCL2 PB10" at 113.592,84.844 h1
  text "RX" at 68.397,84.082 h1
  text "TX" at 71.953,84.082 h1
  text "IO42" at 77.187,84.082 h1
  text "LED" at 62.8,83.51 h1
  text "SDA2 PB11" at 113.592,82.812 h1
  text "SPI1" at 84.336,82.745 h1 r270
  text "I2S3" at 80.272,82.579 h1 r270
  text "SPI3" at 82.304,82.579 h1 r270
  text "PB2" at 62.8,81.92 h1
  text "CAN2TX" at 95.258,81.511 h1 r270
  text "CAN2RX" at 102.878,81.511 h1 r270
  text "CAN1TX" at 88.636,81.342 h1 r270
  text "CAN1RX" at 91.176,81.342 h1 r270
  text "druINO-UNO" at 115,76.232 h5
  text "Rev. A" at 53.602,74.467 h1 r270
  text "08-2023" at 51.824,74.138 h1 r270
  text "LED" at 62.8,72.08 h1
  text "PA8" at 62.8,70.49 h1
  text "W" at 104.437,68.777 h8
  text "DAC2" at 100.338,63.7 h1 r270
  text "DAC1" at 102.878,63.7 h1 r270
  text "O" at 116.037,60.319 h20
  text "ADC5" at 100.338,58.62 h1 r270
  text "ADC4" at 102.878,58.62 h1 r270
  text "ADC3" at 105.418,58.62 h1 r270
  text "ADC2" at 107.958,58.62 h1 r270
  text "ADC1" at 110.498,58.62 h1 r270
  text "ADC0" at 113.038,58.62 h1 r270
  text "POWER OFF" at 67.318,54.556 h1 r270
  text "GND" at 69.858,54.556 h1 r270
  text "VBAT" at 72.398,54.556 h1 r270
  text "ESP_IO9" at 77.561,54.556 h1 r270
  text "3V3" at 80.018,54.556 h1 r270
  text "RESET" at 82.558,54.556 h1 r270
  text "IOREF" at 85.098,54.556 h1 r270
  text "NC" at 87.638,54.556 h1 r270
  text "GND" at 90.178,54.556 h1 r270
  text "GND" at 92.718,54.556 h1 r270
  text "VCCIN" at 95.258,54.556 h1 r270
  text "PA5" at 100.338,54.556 h1 r270
  text "PA4" at 102.878,54.556 h1 r270
  text "PA3" at 105.418,54.556 h1 r270
  text "PA2" at 107.958,54.556 h1 r270
  text "PA1" at 110.498,54.556 h1 r270
  text "PA0" at 113.038,54.556 h1 r270
  text "MAX +16V" at 60.499,50.5 h1
Outline:
  the board outline again, w0.2
Top Assy:
  circle w0.05: c63.97,52.54 r1.6
  circle w0.05: c116.04,57.62 r1.6
  circle w0.05: c116.04,85.56 r1.6
  circle w0.05: c65.24,100.8 r1.6
  pour cut-out: 91.984,87.716 cw(c91.984,87.616) 92.084,87.616 cw(c91.994,87.616) 91.994,87.526 90.884,87.526 90.884,87.716
  lines w0.05: 61.97,52.54 63.97,52.54 ; 63.24,100.8 65.24,100.8 ; 63.97,50.54 63.97,52.54 ; 63.97,54.54 63.97,52.54 ; 65.24,98.8 65.24,100.8 ; 65.24,102.8 65.24,100.8 ; 65.97,52.54 63.97,52.54 ; 67.24,100.8 65.24,100.8 ; 113,83.5 113.5,83.5 ; 113,85 113.5,85 ; 113,86.5 113.5,86.5 ; 113,88 113.5,88 113.5,83.2 116.5,83.2 116.5,78.5 116.815,78.5 ; 114.04,57.62 116.04,57.62 ; 114.04,85.56 116.04,85.56 ; 116.04,55.62 116.04,57.62 ; 116.04,59.62 116.04,57.62 ; 116.04,83.56 116.04,85.56 ; 116.04,87.56 116.04,85.56 ; 116.5,79.8 116.815,79.8 ; 116.5,81.1 116.815,81.1 ; 116.5,82.4 116.815,82.4 ; 118.04,57.62 116.04,57.62 ; 118.04,85.56 116.04,85.56 ; 50,51 50,102.34 51,103.34 115.04,103.34 116.04,102.34 116.04,90.132 118.583,87.589 118.583,55.591 116.04,53.048 116.04,51 115.04,50 51,50 50,51

## Text inside footprints (layer, text, board x,y; h text height)
XS8: Top Overlay "USB C" at 53.7,90.367 h1 r90